# Altium PCB ST1-1-BASIS.PcbDoc (part 2 of 7) (continued)
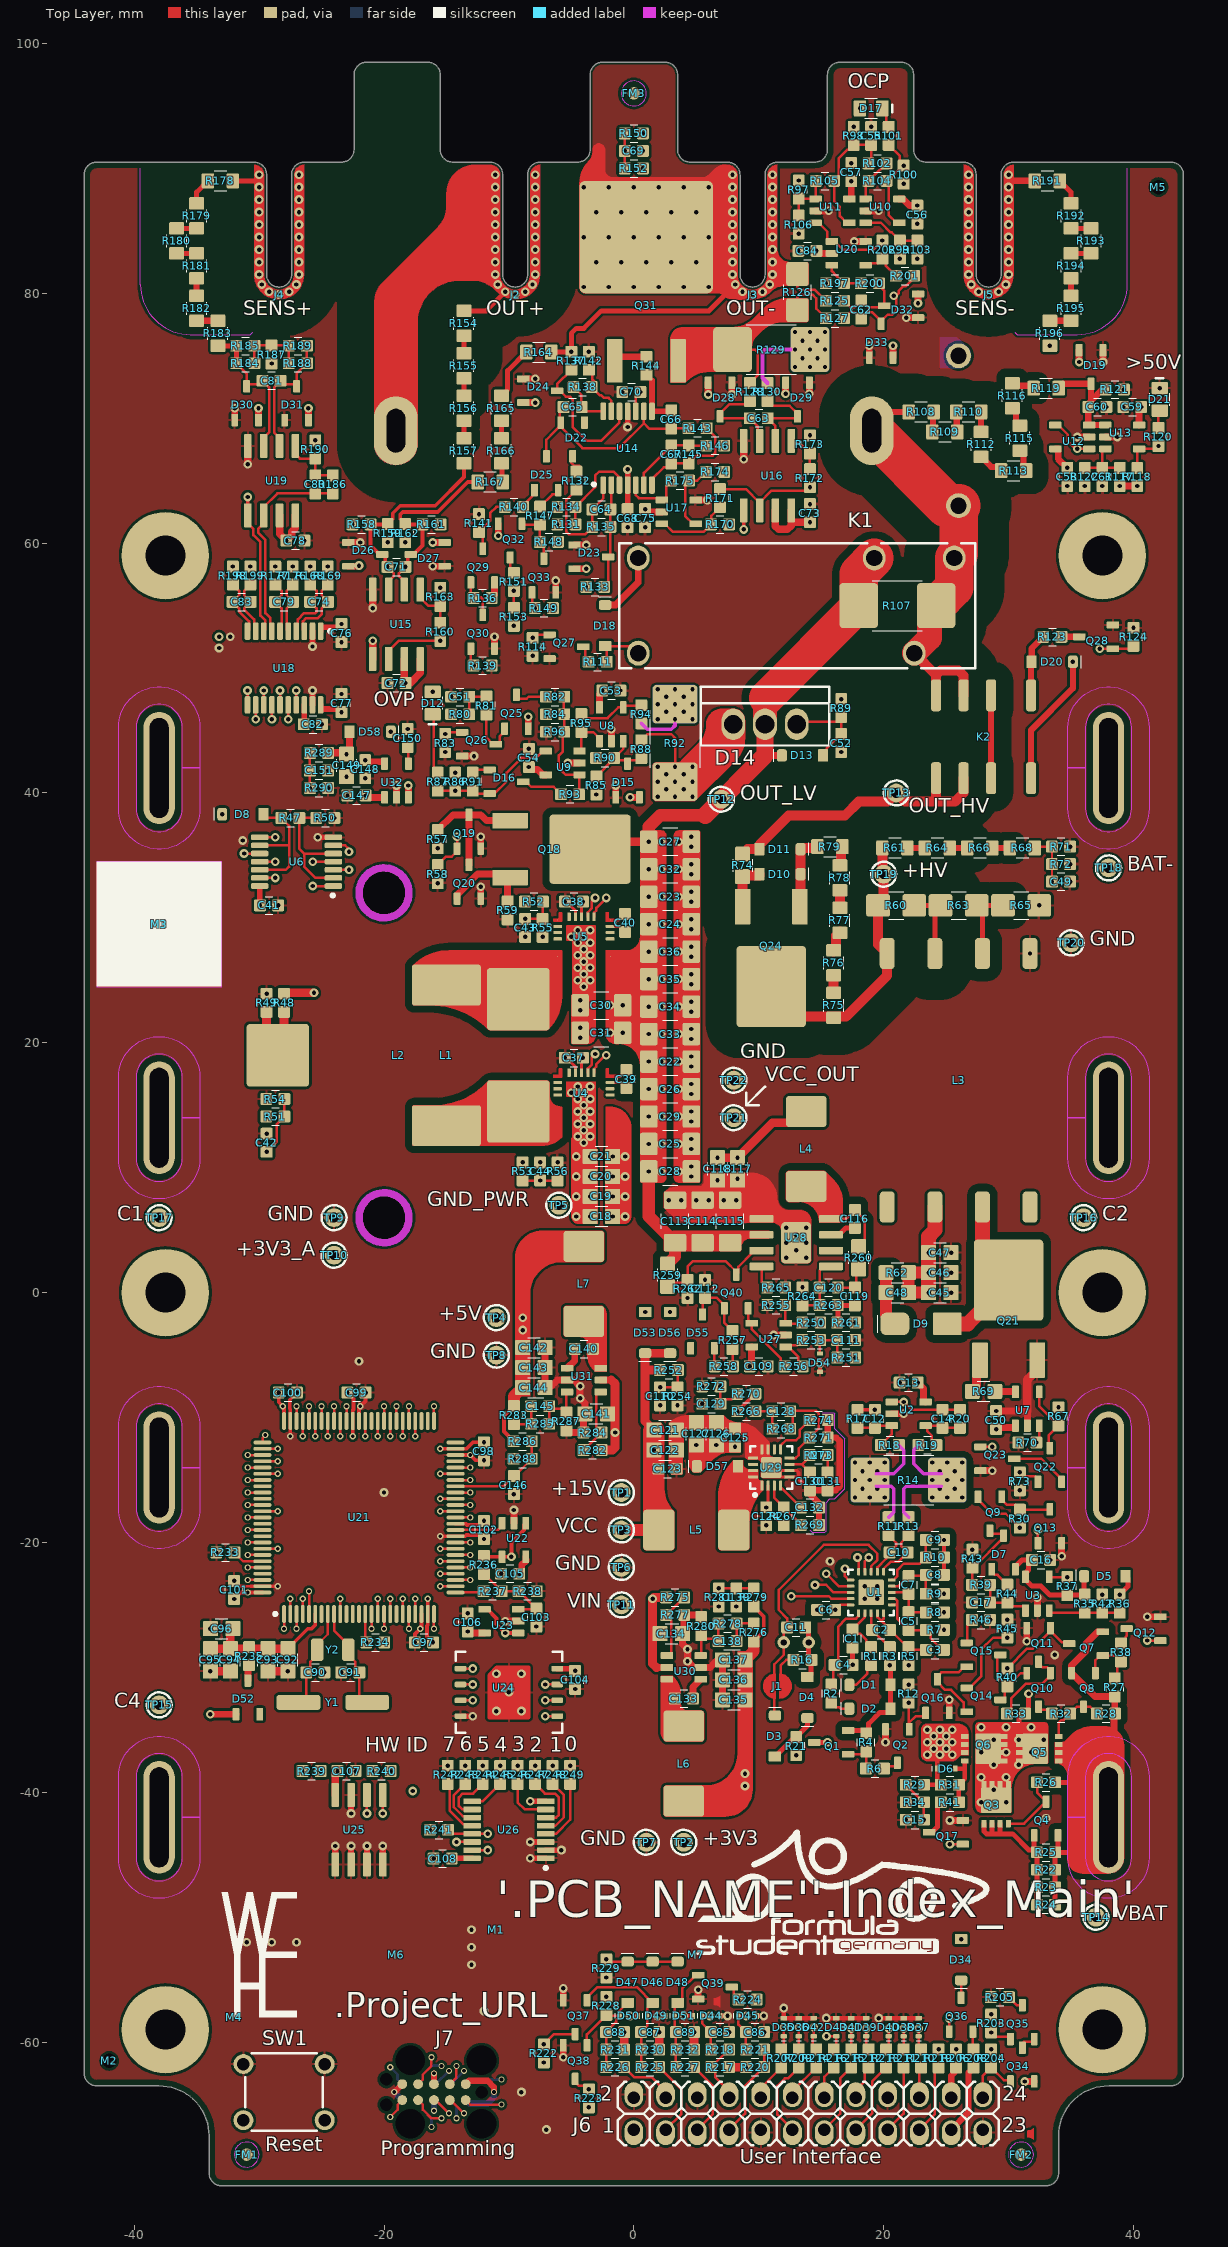
[diagram p0: Top Layer view]
## Components (designator, comment, footprint, x,y, rotation, side; value= is the part's Value field where it differs from the comment) (continued)
R189 "1M/0603" R0603-0.40-WW -26.9,75.8 r0 top value=1M
R190 "100K/0603" R0603-0.40-WW -25.5,67.5 r90 top value=100K
R191 "750K/0805/HV" R0805-0.50-HV-WW 33.1,89 r0 top value=750K
R192 "750K/0805/HV" R0805-0.50-HV-WW 35,86.2 r270 top value=750K
R193 "750K/0805/HV" R0805-0.50-HV-WW 36.6,84.2 r270 top value=750K
R194 "750K/0805/HV" R0805-0.50-HV-WW 35,82.2 r270 top value=750K
R195 "750K/0805/HV" R0805-0.50-HV-WW 35,78.8 r270 top value=750K
R196 "750K/0805/HV" R0805-0.50-HV-WW 33.3,76.8 r270 top value=750K
R197 "100K/0603" R0603-0.40-WW 16.1,80.8 r180 top value=100K
R198 "1K/0603" R0603-0.40-WW -32.1,57.4 r90 top value=1K
R199 "1K/0603" R0603-0.40-WW -30.7,57.4 r90 top value=1K
R200 "100K/0603" R0603-0.40-WW 18.9,80.8 r180 top value=100K
R201 "100K/0603" R0603-0.40-WW 21.7,81.4 r180 top value=100K
R202 "100K/0603" R0603-0.40-WW 19.9,83.5 r90 top value=100K
R203 "1M/0603" R0603-0.40-WW 28.6,-58.5 r270 top value=1M
R204 "1M/0603" R0603-0.40-WW 28.6,-61.3 r270 top value=1M
R205 "1M/0603" R0603-0.40-WW 29.3,-56.4 r180 top value=1M
R206 "0R/0603" R0603-0.40-WW 25.8,-61.3 r90 top value=0R
R207 "200R/0603" R0603-0.40-WW 11.8,-61.3 r270 top value=200R
R208 "200R/0603" R0603-0.40-WW 27.2,-61.3 r270 top value=200R
R209 "200R/0603" R0603-0.40-WW 13.2,-61.3 r270 top value=200R
R210 "200R/0603" R0603-0.40-WW 23,-61.3 r90 top value=200R
R211 "200R/0603" R0603-0.40-WW 21.6,-61.3 r90 top value=200R
R212 "200R/0603" R0603-0.40-WW 18.8,-61.3 r90 top value=200R
R213 "200R/0603" R0603-0.40-WW 20.2,-61.3 r90 top value=200R
R214 "200R/0603" R0603-0.40-WW 14.6,-61.3 r270 top value=200R
R215 "200R/0603" R0603-0.40-WW 17.4,-61.3 r90 top value=200R
R216 "200R/0603" R0603-0.40-WW 16,-61.3 r270 top value=200R
R217 "10K/0603" R0603-0.40-WW 6.9,-62 r180 top value=10K
R218 "100R/0603" R0603-0.40-WW 6.9,-60.6 r180 top value=100R
R219 "200R/0603" R0603-0.40-WW 24.4,-61.3 r270 top value=200R
R220 "10K/0603" R0603-0.40-WW 9.7,-62 r0 top value=10K
R221 "100R/0603" R0603-0.40-WW 9.7,-60.6 r180 top value=100R
R222 "10K/0603" R0603-0.40-WW -7.2,-60.9 r90 top value=10K
R223 "10K/0603" R0603-0.40-WW -3.6,-64.5 r90 top value=10K
R224 "10K/0603" R0603-0.40-WW 9.1,-56.6 r180 top value=10K
R225 "10K/0603" R0603-0.40-WW 1.3,-62 r180 top value=10K
R226 "10K/0603" R0603-0.40-WW -1.5,-62 r180 top value=10K
R227 "10K/0603" R0603-0.40-WW 4.1,-62 r180 top value=10K
R228 "0R/0603" R0603-0.40-WW -2.2,-57.1 r90 top value=0R
R229 "100K/0603" R0603-0.40-WW -2.2,-54.1 r270 top value=100K
R230 "100K/0603" R0603-0.40-WW 1.3,-60.6 r0 top value=100K
R231 "100K/0603" R0603-0.40-WW -1.5,-60.6 r0 top value=100K
R232 "100K/0603" R0603-0.40-WW 4.1,-60.6 r0 top value=100K
R233 "100K/0603" R0603-0.40-WW -32.7,-20.8 r180 top value=100K
R234 "100K/0603" R0603-0.40-WW -20.7,-28 r180 top value=100K
R235 "1K/0603" R0603-0.40-WW -30.8,-29.1 r90 top value=1K
R236 "10K/0603" R0603-0.40-WW -12,-21.8 r270 top value=10K
R237 "10K/0603" R0603-0.40-WW -11.3,-23.9 r0 top value=10K
R238 "10K/0603" R0603-0.40-WW -8.5,-23.9 r0 top value=10K
R239 "4K7/0603" R0603-0.40-WW -25.8,-38.3 r0 top value=4K7
R240 "4K7/0603" R0603-0.40-WW -20.2,-38.3 r180 top value=4K7
R241 "4K7/0603" R0603-0.40-WW -15.6,-43 r0 top value=4K7
R242 "100R/0603" R0603-0.40-WW -14.9,-38.6 r90 top value=100R
R243 "100R/0603" R0603-0.40-WW -13.5,-38.6 r90 top value=100R
R244 "100R/0603" R0603-0.40-WW -12.1,-38.6 r90 top value=100R
R245 "100R/0603" R0603-0.40-WW -10.7,-38.6 r90 top value=100R
R246 "100R/0603" R0603-0.40-WW -9.3,-38.6 r90 top value=100R
R247 "100R/0603" R0603-0.40-WW -7.9,-38.6 r90 top value=100R
R248 "100R/0603" R0603-0.40-WW -6.5,-38.6 r90 top value=100R
R249 "100R/0603" R0603-0.40-WW -5.1,-38.6 r90 top value=100R
R250 "300K/0603" R0603-0.40-WW 14.2,-2.4 r180 top value=300K
R251 "300K/0603" R0603-0.40-WW 17,-5.2 r180 top value=300K
R252 "180K/0603" R0603-0.40-WW 2.8,-6.2 r0 top value=180K
R253 "1M/0603" R0603-0.40-WW 14.2,-3.8 r180 top value=1M
R254 "10K/0603" R0603-0.40-WW 3.5,-8.3 r270 top value=10K
R255 "100K/0603" R0603-0.40-WW 11.4,-1 r180 top value=100K
R256 "10M/0603" R0603-0.40-WW 12.8,-5.9 r180 top value=10M
R257 "1M/0603" R0603-0.40-WW 7.9,-3.8 r90 top value=1M
R258 "100R/0603" R0603-0.40-WW 7.2,-5.9 r180 top value=100R
R259 "120K/0805" R0805-0.50-WW 2.7,1.4 r270 top value=120K
R260 "240K/0805" R0805-0.50-WW 18,2.8 r270 top value=240K
R261 "10R/0603" R0603-0.40-WW 17,-2.4 r180 top value=10R
R262 "30K/0603" R0603-0.40-WW 4.3,0.3 r270 top value=30K
R263 "180K/0603" R0603-0.40-WW 15.6,-1 r180 top value=180K
R264 "20K/0603" R0603-0.40-WW 13.5,-0.3 r90 top value=20K
R265 "150K/0603" R0603-0.40-WW 11.4,0.4 r0 top value=150K
R266 "10R/0603" R0603-0.40-WW 9,-9.5 r0 top value=10R
R267 "100K/0603" R0603-0.40-WW 12,-17.9 r90 top value=100K
R268 "180K/0603" R0603-0.40-WW 11.8,-10.9 r0 top value=180K
R269 "15K/0603" R0603-0.40-WW 14.1,-18.6 r0 top value=15K
R270 "240K/0603" R0603-0.40-WW 9,-8.1 r180 top value=240K
R271 "16K/0603" R0603-0.40-WW 14.8,-11.6 r0 top value=16K
R272 "10K/0603" R0603-0.40-WW 6.2,-7.5 r180 top value=10K
R273 "470R/0603" R0603-0.40-WW 14.8,-13 r0 top value=470R
R274 "62K/0603" R0603-0.40-WW 14.8,-10.2 r0 top value=62K
R275 "120K/0603" R0603-0.40-WW 3.3,-24.4 r0 top value=120K
R276 "10R/0603" R0603-0.40-WW 9.6,-27.2 r90 top value=10R
R277 "30K/0603" R0603-0.40-WW 3.3,-25.8 r0 top value=30K
R278 "62K/0603" R0603-0.40-WW 7.5,-26.5 r180 top value=62K
R279 "43K/0603" R0603-0.40-WW 9.6,-24.4 r90 top value=43K
R280 "27K/0603" R0603-0.40-WW 5.4,-26.7 r90 top value=27K
R281 "10K/0603" R0603-0.40-WW 6.8,-24.4 r270 top value=10K
R282 "120K/0603" R0603-0.40-WW -3.3,-12.6 r180 top value=120K
R283 "10R/0603" R0603-0.40-WW -9.6,-9.8 r270 top value=10R
R284 "30K/0603" R0603-0.40-WW -3.3,-11.2 r180 top value=30K
R285 "120K/0603" R0603-0.40-WW -7.5,-10.5 r0 top value=120K
R286 "68K/0603" R0603-0.40-WW -8.9,-11.9 r0 top value=68K
R287 "30K/0603" R0603-0.40-WW -5.4,-10.3 r270 top value=30K
R288 "10K/0603" R0603-0.40-WW -8.9,-13.3 r180 top value=10K
R289 "43K/0603" R0603-0.40-WW -25.2,43.2 r180 top value=43K
R290 "10K/0603" R0603-0.40-WW -25.2,40.4 r0 top value=10K
SW1 "BTN 6X6MM" BTN-6X6MM-4.3MM-YELLOW -28,-64 r0 top
TP1 "TP_THD_1.5/0.8" TP_THD_1.5/0.8 -1,-16 r0 top
TP2 "TP_THD_1.5/0.8" TP_THD_1.5/0.8 4,-44 r0 top
TP3 "TP_THD_1.5/0.8" TP_THD_1.5/0.8 -1,-19 r0 top
TP4 "TP_THD_1.5/0.8" TP_THD_1.5/0.8 -11,-2 r0 top
TP5 "TP_THD_1.5/0.8" TP_THD_1.5/0.8 -6,7 r0 top
TP6 "TP_THD_1.5/0.8" TP_THD_1.5/0.8 -1,-22 r0 top
TP7 "TP_THD_1.5/0.8" TP_THD_1.5/0.8 1,-44 r0 top
TP8 "TP_THD_1.5/0.8" TP_THD_1.5/0.8 -11,-5 r0 top
TP9 "TP_THD_1.5/0.8" TP_THD_1.5/0.8 -24,6 r0 top
TP10 "TP_THD_1.5/0.8" TP_THD_1.5/0.8 -24,3 r0 top
TP11 "TP_THD_1.5/0.8" TP_THD_1.5/0.8 -1,-25 r0 top
TP12 "TP_THD_1.5/0.8" TP_THD_1.5/0.8 7,39.5 r0 top
TP13 "TP_THD_1.5/0.8" TP_THD_1.5/0.8 21,40 r0 top
TP14 "TP_THD_1.5/0.8" TP_THD_1.5/0.8 37,-50 r0 top
TP15 "TP_THD_1.5/0.8" TP_THD_1.5/0.8 -38,-33 r0 top
TP16 "TP_THD_1.5/0.8" TP_THD_1.5/0.8 36,6 r0 top
TP17 "TP_THD_1.5/0.8" TP_THD_1.5/0.8 -38,6 r0 top
TP18 "TP_THD_1.5/0.8" TP_THD_1.5/0.8 38,34 r0 top
TP19 "TP_THD_1.5/0.8" TP_THD_1.5/0.8 20,33.5 r0 top
TP20 "TP_THD_1.5/0.8" TP_THD_1.5/0.8 35,28 r0 top
TP21 "TP_THD_1.5/0.8" TP_THD_1.5/0.8 8,14 r0 top
TP22 "TP_THD_1.5/0.8" TP_THD_1.5/0.8 8,17 r0 top
U1 "BQ76905" QFN050P350X350X100-20-EP200X200 19,-24 r180 top
U2 "TLV314IDBV" SOT2395P280X125-5-NW 22,-9.7 r0 top
U3 "TLV1701AIDBV" SOT2395P280X125-5-NW 32.3,-24.1 r90 top
U4 "LMG2100R044" QFN050P450X550X085-16-TI-VQFN-FCRLF -4,15 r0 top
U5 "LMG2100R044" QFN050P450X550X085-16-TI-VQFN-FCRLF -4,27.5 r0 top
U6 "SN74LVC08A TSSOP" SOP065P640X120-14NW -27,34.5 r180 top
U7 "1EDN7512B" SOT2395P280X125-5-NW 31.5,-9.3 r90 top
U8 "TLV314IDBV" SOT2395P280X125-5-NW -1.8,45.5 r90 top
U9 "TLV1701AIDBV" SOT2395P280X125-5-NW -5.7,42.4 r180 top
U10 "TLV1701AIDBV" SOT2395P280X125-5-NW 19.9,86.6 r0 top
U11 "TLV1701AIDBV" SOT2395P280X125-5-NW 15.9,86.6 r0 top
U12 "TLV314IDBV" SOT2395P280X125-5-NW 35.1,68.5 r180 top
U13 "TLV1701AIDBV" SOT2395P280X125-5-NW 39.1,68.5 r0 top
U14 "OPA4197 TSSOP" SOP065P640X120-14NW -0.5,67.6 r90 top
U15 "MCP6N11-001" SOP127P600X155-8-SW -19,53.5 r180 top
U16 "MCP6N11-001" SOP127P600X155-8-SW 10.7,65.4 r180 top
U17 "TLV314IDBV" SOT2395P280X125-5-NW 3.6,62.5 r0 top
U18 "ADS131M04 TSSOP" SOP065P640X120-20NW -28,50 r270 top
U19 "MCP6N11-001" SOP127P600X155-8-SW -29,65 r180 top
U20 "TLV314IDBV" SOT2395P280X125-5-NW 17.2,83.2 r0 top
U21 "STM32G474VET" QFP050P1600X1600X160-100 -22,-18 r90 top
U22 "TLV314IDBV" SOT2395P280X125-5-NW -9.6,-19.8 r270 top
U23 "TLV314IDBV" SOT2395P280X125-5-NW -10.6,-26.3 r180 top
U24 "W25N01GVZEIG" SON127P800X600X080-8-EP340X430 -10,-32 r0 top
U25 "ZD24C02B" SOP127P600X155-8-SW -22,-43 r0 top
U26 "TCA9554 TSSOP16" SOP065P640X110-16NW -10,-43 r180 top
U27 "TLV1701AIDBV" SOT2395P280X125-5-NW 10.8,-3.4 r180 top
U28 "LM5168P" SOP127P600X155-8-EP330x240-NW 13,4 r0 top
U29 "TPS55340 QFN" QFN050P300X300X080-16-EP168X168 11,-14 r90 top
U30 "LV3842XF" SOT2395P280X125-6-NW 4,-30 r180 top
U31 "LV3842XF" SOT2395P280X125-6-NW -4,-7 r0 top
U32 "LP2985-3.3" SOT2395P280X125-5-SW -19,41 r0 top
Y1 "Crystal 32.768 kHz HC-49/US" CYSMD275P760X320C230 -24.1,-32.8 r0 top
Y2 "Crystal 32.768 kHz FC-135" CYSMD250P320X150X090 -24.1,-28.6 r0 top

## Footprints (in the part's own frame and the unit in brackets; to place one, negate y for a bottom-side part, rotate by r counter-clockwise, add the part's x,y. Pads: shape width x height; smd on the part's side, far side on the other; paste and mask are expansions set on the pad)
BAT-26700-PS [mm]
  oval 2.5x9 hole 1.5 slot 8 at 90 deg: 1(-38,0) 2(38,0)
  Top Layer keep-out region: -41.25,3.25 -41.25,-3.25 -40.928,-4.66 -40.026,-5.791 -38.723,-6.419 -37.277,-6.419 -35.974,-5.791 -35.072,-4.66 -34.75,-3.25 -34.75,-3.25 -34.75,0 -36.15,0 -36.15,-3.25 -36.333,-4.053 -36.847,-4.696 -37.588,-5.054 -38.412,-5.054 -39.153,-4.696 -39.667,-4.053 -39.85,-3.25 -39.85,-3.25 -39.85,3.25 -39.602,4.175 -38.925,4.852 -38,5.1 -37.075,4.852 -36.398,4.175 -36.15,3.25 -36.15,3.25 -36.15,0 -34.75,0 -34.75,3.25 -35.185,4.875 -36.375,6.065 -38,6.5 -39.625,6.065 -40.815,4.875 -41.25,3.25
  Top Layer keep-out region: 41.25,-3.25 41.25,3.25 40.928,4.66 40.026,5.791 38.723,6.419 37.277,6.419 35.974,5.791 35.072,4.66 34.75,3.25 34.75,3.25 34.75,0 36.15,0 36.15,3.25 36.333,4.053 36.847,4.696 37.588,5.054 38.412,5.054 39.153,4.696 39.667,4.053 39.85,3.25 39.85,3.25 39.85,-3.25 39.602,-4.175 38.925,-4.852 38,-5.1 37.075,-4.852 36.398,-4.175 36.15,-3.25 36.15,-3.25 36.15,0 34.75,0 34.75,-3.25 35.185,-4.875 36.375,-6.065 38,-6.5 39.625,-6.065 40.815,-4.875 41.25,-3.25
  Bottom Layer keep-out region: -41.25,3.25 -41.25,-3.25 -40.928,-4.66 -40.026,-5.791 -38.723,-6.419 -37.277,-6.419 -35.974,-5.791 -35.072,-4.66 -34.75,-3.25 -34.75,-3.25 -34.75,0 -36.15,0 -36.15,-3.25 -36.333,-4.053 -36.847,-4.696 -37.588,-5.054 -38.412,-5.054 -39.153,-4.696 -39.667,-4.053 -39.85,-3.25 -39.85,-3.25 -39.85,3.25 -39.602,4.175 -38.925,4.852 -38,5.1 -37.075,4.852 -36.398,4.175 -36.15,3.25 -36.15,3.25 -36.15,0 -34.75,0 -34.75,3.25 -35.185,4.875 -36.375,6.065 -38,6.5 -39.625,6.065 -40.815,4.875 -41.25,3.25
  Bottom Layer keep-out region: 41.25,-3.25 41.25,3.25 40.928,4.66 40.026,5.791 38.723,6.419 37.277,6.419 35.974,5.791 35.072,4.66 34.75,3.25 34.75,3.25 34.75,0 36.15,0 36.15,3.25 36.333,4.053 36.847,4.696 37.588,5.054 38.412,5.054 39.153,4.696 39.667,4.053 39.85,3.25 39.85,3.25 39.85,-3.25 39.602,-4.175 38.925,-4.852 38,-5.1 37.075,-4.852 36.398,-4.175 36.15,-3.25 36.15,-3.25 36.15,0 34.75,0 34.75,-3.25 35.185,-4.875 36.375,-6.065 38,-6.5 39.625,-6.065 40.815,-4.875 41.25,-3.25
  silkscreen extent -43,-13 41,13, body extent -38.3,-13 38.3,13, height 28.3
BTN-6X6MM-4.3MM-YELLOW [mm]
  round 1.6 hole 1: 1(-3.25,-2.25) 1(3.25,-2.25) 2(-3.25,2.25) 2(3.25,2.25)
  silkscreen extent -3.1,-3.1 3.1,3.1, body extent -3.85,-3.1 3.85,3.1, height 4.3
CAP0603_C0G [mm]
  rrect20% 0.95x0.95 smd: 1(-0.725,0) 2(0.725,0)
  silkscreen extent -0.3,-0.7 0.3,0.7, body extent -0.8,-0.41 0.8,0.41, height 0.57
CAP0603_X7R [mm]
  rrect20% 0.95x0.95 smd: 1(-0.725,0) 2(0.725,0)
  silkscreen extent -0.3,-0.7 0.3,0.7, body extent -0.8,-0.41 0.8,0.41, height 0.57
CAP0805_C0G [mm] "Chip Capacitor 0805mil / 2012mm"
  rrect10% 1.2x1.2 smd: 1(-0.9,0) 2(0.9,0)
  silkscreen extent -0.5,-0.8 0.5,0.8, body extent -1.1,-0.63 1.1,0.63, height 1
CAP0805_X7R [mm] "Chip Capacitor 0805mil / 2012mm"
  rrect10% 1.2x1.2 smd: 1(-0.9,0) 2(0.9,0)
  silkscreen extent -0.5,-0.8 0.5,0.8, body extent -1,-0.51 1,0.51, height 0.72
CAP1206-X7R [mm]
  rrect20% 1.4x1.8 smd: 1(-1.7,0) 2(1.7,0)
  silkscreen extent -0.6,-1.1 0.6,1.1, body extent -1.6,-0.8 1.6,0.8, height 1.6
CYSMD250P320X150X090 [mm]
  rrect40% 1x1.8 smd: 1(-1.25,0) 2(1.25,0)
  body extent -1.65,-0.8 1.65,0.8, height 0.9
CYSMD275P760X320C230 [mm]
  rrect33% 3.5x1.2 smd: 1(-2.75,0) 2(2.75,0)
  body extent -3.8,-1.6 3.8,1.6, height 2.3
DIOM5226X230 [mm] "DO-214AC"
  rrect50% 2.3x1.8 smd: 1(-2.1,0)
  rrect10% 2.3x1.8 smd: 2(2.1,0)
  silkscreen extent -3.5,-0.7 -3.5,0.7, body extent -2.6,-1.4 2.6,1.4, height 2.29
FIDU-1MM [mm] "Fiducial 1mm"
  round 1 smd mask+0.5: 1(0,0)
  Top Layer keep-out circle w0.1: c0,0 r1
FTR-B3G [mm]
  rrect50% 0.8x2.56 smd: 1(-3.8,-3.32) 2(-3.8,3.32) 3(1.6,-3.32) 4(-0.6,-3.32) 5(3.8,-3.32) 6(1.6,3.32) 7(-0.6,3.32) 8(3.8,3.32)
  body extent -5.45,-4.1 5.45,4.1, height 5.75
Fuse_5AG_5mm [mm] "Fuse 5AG, 5mm distance from PCB"
  body extent -19,-5.15 19,5.15, height 15.3
G6RL-1 [mm]
  oval 2x1.8 hole 1.3: 1(3.81,-12.65) 2(-3.81,-12.65) 3(3.81,9.45) 4(-3.81,6.25) 5(-3.81,12.65)
  silkscreen extent -5,-14.15 5,14.35, body extent -5,-14.15 5,14.35, height 12.3
GDTAD1200W100L800D800H1200 [mm]
  round 2 hole 1.3: 1(-6,0) 2(6,0)
  silkscreen extent -4.8,-4.1 4.8,4.1, body extent -6.5,-4.1 6.5,4.1, height 12.1
IND_PQ2015J [mm]
  rrect10% 5x5 smd: 1(-4.5,-10.75) 2(4.5,-10.75) 3(0,8.5)
  body extent -10.75,-12.4 10.75,10.1, height 12.5
INDM140X128X65 [mm]
  rrect10% 3.25x5.5 smd: 1(-5.625,0) 2(5.625,0)
  body extent -7,-6.4 7,6.4, height 6.5
INDM7676X43 [mm]
  rrect20% 2.5x3.25 smd: 1(-3,0) 2(3,0)
  body extent -3.8,-3.8 3.8,3.8, height 4.3
KEYSTONE_3576 [mm] "Fuse holder 5AG"
  oval 3.5x5.5 hole 1.5 slot 3.5 at 90 deg: 1(-19.05,0) 2(19.05,0)
  silkscreen extent -21.52,-9.07 21.52,9.07, body extent -21.53,-9.07 21.53,9.07, height 17.54
LED0805_RED [mm]
  rrect20% 1x1.3 smd: 1(-0.9,0) 2(0.9,0)
  silkscreen extent -1.7,-0.8 0.5,0.8, body extent -1,-0.6 1,0.6, height 0.8
LOGO-FSG-10MM [mm] "Source: https://www.formulastudent.de/pr/logos /  / Terms of use / Nutzungsbedingungen /  / \"Formula Student\" is registered trademark. The FSG logos are also subject to international copyright laws.  /  / EN: The right to use the FSG logo in an appropriate context is reserved to the teams, to the sponsors of the FSG event and to the press reporting on FSG. Other parties including the teams' sponsors are not allowed to use the FSG logo for any purpose. /  / DE: Teams, Sponsoren des FSG-Wettbewerb und Presse, die über die FSG berichtet, dürfen das FSG-Logo im entsprechenden Kontext frei verwenden. Anderen, die Sponsoren der Teams eingeschlossen, ist die Verwendung des FSG-Logos nicht gestattet."
  silkscreen extent 0.01,0.01 23.47,10.01, body extent 0.01,0.01 23.47,10.01, height 0.05
LOGO-WHE-10MM [mm]
  silkscreen extent -1,0 5,10
NET-TIE_1000X100 [mil]
  round 1 on Mid4 paste-99999 mask+4: 1(-9.84,0) 2(9.84,0)
PCB-NAME-5MM-LEFT [mm]
QFN050P300X300X080-16-EP168X168 [mm] "QFN, 16-Leads, Body 3.00x3.00mm, Pitch 0.50mm, Thermal Pad 1.68x1.68mm, IPC Medium Density"
  rrect50% 0.8x0.25 smd: 1(-1.45,0.75) 2(-1.45,0.25) 3(-1.45,-0.25) 4(-1.45,-0.75) 9(1.45,-0.75) 10(1.45,-0.25) 11(1.45,0.25) 12(1.45,0.75)
  rrect50% 0.25x0.8 smd: 5(-0.75,-1.45) 6(-0.25,-1.45) 7(0.25,-1.45) 8(0.75,-1.45) 13(0.75,1.45) 14(0.25,1.45) 15(-0.25,1.45) 16(-0.75,1.45)
  rrect20% 1.68x1.68 smd: EP(0,0)
  silkscreen extent -2.32,-1.7 1.7,1.7, body extent -1.56,-1.56 1.56,1.56, height 0.8
QFN050P350X350X100-20-EP200X200 [mm]
  round 0.4 on Top Overlay: 1(-2.2,1.5)
  rrect50% 0.6x0.24 smd: 1(-1.65,1) 2(-1.65,0.5) 3(-1.65,0) 4(-1.65,-0.5) 5(-1.65,-1) 11(1.65,-1) 12(1.65,-0.5) 13(1.65,0) 14(1.65,0.5) 15(1.65,1)
  rrect50% 0.24x0.6 smd: 6(-1,-1.65) 7(-0.5,-1.65) 8(0,-1.65) 9(0.5,-1.65) 10(1,-1.65) 16(1,1.65) 17(0.5,1.65) 18(0,1.65) 19(-0.5,1.65) 20(-1,1.65)
  rrect20% 0.92x0.92 on Top Paste: EP(-0.56,0.56) EP(-0.56,-0.56) EP(0.56,0.56) EP(0.56,-0.56)
  rrect10% 2.05x2.05 smd paste-2539.97: EP(0,0)
  silkscreen extent -1.83,-1.83 1.83,1.83, body extent -1.83,-1.83 1.83,1.83, height 1.01
QFN050P450X550X085-16-TI-VQFN-FCRLF [mm] "QFN-16 Texas Instruments VQFN-FCRLF  (RAR0017B)"
  round 0.3 on Top Overlay: 1(-2.6,3)
  round 0.025 smd: 1(-2.1,2.325) 5(-2.1,-0.587) 6(0,-1.05) 7(2.1,-0.587) 11(2.1,2.325) 17(-0.1,1)
  rrect40% 0.7x0.25 smd: 2(-2.1,1.825) 3(-2.1,1.325) 4(-2.1,0.825) 8(2.1,0.825) 9(2.1,1.325) 10(2.1,1.825)
  rrect40% 0.25x0.7 smd: 12(0.825,2.6) 13(0.325,2.6) 14(-0.175,2.6) 15(-0.675,2.6) 16(-1.175,2.6)
  body extent -2.3,-2.8 2.3,2.8, height 0.85
QFP050P1600X1600X160-100 [mm] "QFP, 100-Leads, Body 14.00x14.00mm, Pitch 0.50mm, IPC Medium Density"
  oval 1.45x0.3 smd: 1(-7.725,6) 2(-7.725,5.5) 3(-7.725,5) 4(-7.725,4.5) 5(-7.725,4) 6(-7.725,3.5) 7(-7.725,3) 8(-7.725,2.5) 9(-7.725,2) 10(-7.725,1.5) 11(-7.725,1) 12(-7.725,0.5) 13(-7.725,0) 14(-7.725,-0.5) 15(-7.725,-1) 16(-7.725,-1.5) 17(-7.725,-2) 18(-7.725,-2.5) 19(-7.725,-3) 20(-7.725,-3.5) 21(-7.725,-4) 22(-7.725,-4.5) 23(-7.725,-5) 24(-7.725,-5.5) 25(-7.725,-6) 51(7.725,-6) 52(7.725,-5.5) 53(7.725,-5) 54(7.725,-4.5) 55(7.725,-4) 56(7.725,-3.5) 57(7.725,-3) 58(7.725,-2.5) 59(7.725,-2) 60(7.725,-1.5) 61(7.725,-1) 62(7.725,-0.5) 63(7.725,0) 64(7.725,0.5) 65(7.725,1) 66(7.725,1.5) 67(7.725,2) 68(7.725,2.5) 69(7.725,3) 70(7.725,3.5) 71(7.725,4) 72(7.725,4.5) 73(7.725,5) 74(7.725,5.5) 75(7.725,6)
  oval 0.3x1.45 smd: 26(-6,-7.725) 27(-5.5,-7.725) 28(-5,-7.725) 29(-4.5,-7.725) 30(-4,-7.725) 31(-3.5,-7.725) 32(-3,-7.725) 33(-2.5,-7.725) 34(-2,-7.725) 35(-1.5,-7.725) 36(-1,-7.725) 37(-0.5,-7.725) 38(0,-7.725) 39(0.5,-7.725) 40(1,-7.725) 41(1.5,-7.725) 42(2,-7.725) 43(2.5,-7.725) 44(3,-7.725) 45(3.5,-7.725) 46(4,-7.725) 47(4.5,-7.725) 48(5,-7.725) 49(5.5,-7.725) 50(6,-7.725) 76(6,7.725) 77(5.5,7.725) 78(5,7.725) 79(4.5,7.725) 80(4,7.725) 81(3.5,7.725) 82(3,7.725) 83(2.5,7.725) 84(2,7.725) 85(1.5,7.725) 86(1,7.725) 87(0.5,7.725) 88(0,7.725) 89(-0.5,7.725) 90(-1,7.725) 91(-1.5,7.725) 92(-2,7.725) 93(-2.5,7.725) 94(-3,7.725) 95(-3.5,7.725) 96(-4,7.725) 97(-4.5,7.725) 98(-5,7.725) 99(-5.5,7.725) 100(-6,7.725)
  silkscreen extent -7.85,6.58 -7.6,6.82, body extent -8,-8 8,8, height 1.6
QR-PROJECT-URL-10MM [mm] "QR Code Project URL 10mm"
R0603-0.40-WW [mm]
  rrect20% 0.95x0.95 smd: 1(-0.725,0) 2(0.725,0)
  silkscreen extent -0.3,-0.7 0.3,0.7, body extent -0.8,-0.4 0.8,0.4, height 0.3
R0805-0.50-HV-WW [mm]
  rrect20% 1x1.2 smd: 1(-1,0) 2(1,0)
  silkscreen extent -0.5,-0.8 0.5,0.8, body extent -1,-0.5 1,0.5, height 0.37
R0805-0.50-WW [mm]
  rrect20% 1.2x1.2 smd: 1(-0.9,0) 2(0.9,0)
  silkscreen extent -0.5,-0.8 0.5,0.8, body extent -1,-0.5 1,0.5, height 0.37
R1206-0.80-WW [mm]
  rrect20% 1.9x1.8 smd: 1(-1.45,0) 2(1.45,0)
  silkscreen extent -0.6,-1.1 0.6,1.1, body extent -1.6,-0.8 1.6,0.8, height 0.62
R2512-0.65-WW [mm]
  rrect20% 3.1x3.6 smd: 1(-3.1,0) 2(3.1,0)
  silkscreen extent -2,-2 2,2, body extent -3.2,-1.6 3.2,1.6, height 0.68
RESD200W25D200H4000 [mm]
  round 1 hole 0.5: 1(-1,0) 2(1,0)
  silkscreen extent -0.74,-1 0.74,1, body extent -1.15,-1 1.15,1, height 40
SERIAL-2D-10MM-RESTRICT [mm] "Placeholder for 2D serial number (Dotmatrix or QR) / Size: 10mm"
  Top Layer keep-out region: -5,-5 5,-5 5,5 -5,5
  silkscreen extent -5,-5 5,5
SLB4-F6.3-BLACK [mil]
  round 1 smd: 1(0,-1244.09)
  body extent -285,-1197 285,79, height 324
SLB4-F6.3-RED [mil]
  round 1 smd: 1(0,-1244.09)
  body extent -285,-1197 285,79, height 324
SOCK_254_2X12_700 [mm] "Socket 2.54mm 2x12, height 7mm"
  oval 2x1.5 hole 1 copper offset -0.25,0: 1(0,0) 3(0,-2.54) 5(0,-5.08) 7(0,-7.62) 9(0,-10.16) 11(0,-12.7) 13(0,-15.24) 15(0,-17.78) 17(0,-20.32) 19(0,-22.86) 21(0,-25.4) 23(0,-27.94)
  oval 2x1.5 hole 1 copper offset 0.25,0: 2(2.54,0) 4(2.54,-2.54) 6(2.54,-5.08) 8(2.54,-7.62) 10(2.54,-10.16) 12(2.54,-12.7) 14(2.54,-15.24) 16(2.54,-17.78) 18(2.54,-20.32) 20(2.54,-22.86) 22(2.54,-25.4) 24(2.54,-27.94)
  silkscreen extent -1.27,-29.21 3.81,1.27, body extent -1.27,-29.21 3.81,1.27, height 7
SOD1608X065 [mm] "SOD523"
  rrect50% 0.35x0.5 smd: 1(-0.725,0)
  rrect10% 0.35x0.5 smd: 2(0.725,0)
  silkscreen extent -1.1,-0.2 -1.1,0.2, body extent -0.8,-0.4 0.8,0.4, height 0.65
SOD3718X125 [mm] "SOD-123"
  rrect50% 0.8x1 smd: 1(-1.65,0)
  rrect10% 0.8x1 smd: 2(1.65,0)
  silkscreen extent -2.3,-0.5 -2.3,0.5, body extent -1.85,-0.8 1.85,0.8, height 1.25
Solder_Jumper_2pin_0.3mm [mil] "Solder jumper with two pins with a spacing of 0.3mm"
  round 1 smd paste-99999: 1(-25.59,0) 2(25.59,0)
SON065P330X330X075-5-TH245X175 [mm]
  round 0.5 on Top Overlay: 1(-1.6,-1.6)
  rrect10% 0.4x0.6 smd: 1(-0.975,-1.5) 2(-0.325,-1.5) 3(0.325,-1.5) 4(0.975,-1.5) 5(-0.975,1.625) 5(-0.325,1.625) 5(0.325,1.625) 5(0.975,1.625)
  rrect10% 2.45x2.03 smd: 5(0,0.36)
  body extent -1.65,-1.65 1.65,1.65, height 0.75
SON127P800X600X080-8-EP340X430 [mm] "SON, 8-Leads, Body 6.00x8.00mm, Pitch 1.27mm, Thermal Pad 4.30x3.40mm, IPC Medium Density"
  round 0.5 on Top Overlay: 1(-4.7,2.625)
  rrect50% 0.95x0.45 smd: 1(-3.87,1.905) 2(-3.87,0.635) 3(-3.87,-0.635) 4(-3.87,-1.905) 5(3.87,-1.905) 6(3.87,-0.635) 7(3.87,0.635) 8(3.87,1.905)
  round 0.025 smd paste-1.7: EP(0,0)
  silkscreen extent -4.25,-3.25 4.25,3.25, body extent -4.07,-3.05 4.07,3.05, height 0.8
SOP065P640X110-16NW [mm] "TSOP, 16-Leads, Body 5.00x4.40mm, Pitch 0.65mm, IPC Medium Density"
  rrect25% 1.4x0.45 smd: 1(-2.95,2.275) 2(-2.95,1.625) 3(-2.95,0.975) 4(-2.95,0.325) 5(-2.95,-0.325) 6(-2.95,-0.975) 7(-2.95,-1.625) 8(-2.95,-2.275) 9(2.95,-2.275) 10(2.95,-1.625) 11(2.95,-0.975) 12(2.95,-0.325) 13(2.95,0.325) 14(2.95,0.975) 15(2.95,1.625) 16(2.95,2.275)
  silkscreen extent -3.08,2.93 -2.83,3.17, body extent -3.2,-2.55 3.2,2.55, height 1.1
SOP065P640X120-14NW [mm] "TSOP, 14-Leads, Body 5.00x4.40mm, Pitch 0.65mm, IPC Medium Density"
  rrect50% 1.4x0.45 smd: 1(-2.95,1.95) 2(-2.95,1.3) 3(-2.95,0.65) 4(-2.95,0) 5(-2.95,-0.65) 6(-2.95,-1.3) 7(-2.95,-1.95) 8(2.95,-1.95) 9(2.95,-1.3) 10(2.95,-0.65) 11(2.95,0) 12(2.95,0.65) 13(2.95,1.3) 14(2.95,1.95)
  silkscreen extent -3.03,2.58 -2.78,2.82, body extent -3.22,-2.45 3.22,2.45, height 1.1
SOP065P640X120-20NW [mm] "TSOP, 20-Leads, Body 6.50x4.40mm, Pitch 0.65mm, IPC Medium Density"
  rrect50% 1.4x0.45 smd: 1(-2.95,2.925) 2(-2.95,2.275) 3(-2.95,1.625) 4(-2.95,0.975) 5(-2.95,0.325) 6(-2.95,-0.325) 7(-2.95,-0.975) 8(-2.95,-1.625) 9(-2.95,-2.275) 10(-2.95,-2.925) 11(2.95,-2.925) 12(2.95,-2.275) 13(2.95,-1.625) 14(2.95,-0.975) 15(2.95,-0.325) 16(2.95,0.325) 17(2.95,0.975) 18(2.95,1.625) 19(2.95,2.275) 20(2.95,2.925)
  silkscreen extent -3.07,3.58 -2.83,3.83, body extent -3.2,-3.3 3.2,3.3, height 1.2
SOP127P600X155-8-EP330x240-NW [mm] "PHDSO-G8-I127, JEDEC MS-012AA, SOIC8 with Exposed Pad"
  rrect25% 1.91x0.61 smd: 1(-2.78,1.905) 2(-2.78,0.635) 3(-2.78,-0.635) 4(-2.78,-1.905) 5(2.78,-1.905) 6(2.78,-0.635) 7(2.78,0.635) 8(2.78,1.905)
  round 0.4 on Top Overlay: 1(-2.5,2.7)
  rrect25% 2.4x3.3 smd: EP(0,0)
  body extent -3,-2.45 3,2.45, height 1.7
SOP127P600X155-8-SW [mm] "PHDSO-G8-I127, JEDEC MS-012AA, SOIC8"
  round 0.4 on Top Overlay: 1(-2.7,-2.5)
  rrect25% 0.61x1.91 smd: 1(-1.905,-2.78) 2(-0.635,-2.78) 3(0.635,-2.78) 4(1.905,-2.78) 5(1.905,2.78) 6(0.635,2.78) 7(-0.635,2.78) 8(-1.905,2.78)
  body extent -2.4,-3 2.4,3, height 1.45
SOT2395P280X125-3-SE [mm] "SOT23-3, SC74"
  rrect25% 1x0.55 smd: 1(1.35,-0.95) 2(1.35,0.95) 3(-1.35,0)
  round 0.4 on Top Overlay: 1(1.6,-1.6)
  body extent -1.4,-1.45 1.4,1.45, height 1.26
SOT2395P280X125-5-NW [mm] "SOT23-5"
  round 0.4 on Top Overlay: 1(-1.6,1.6)
  rrect25% 1x0.55 smd: 1(-1.35,0.95) 2(-1.35,0) 3(-1.35,-0.95) 4(1.35,-0.95) 5(1.35,0.95)
  body extent -1.4,-1.45 1.4,1.45, height 1.26
SOT2395P280X125-5-SW [mm] "SOT23-5"
  round 0.4 on Top Overlay: 1(-1.6,-1.6)
  rrect25% 0.55x1 smd: 1(-0.95,-1.35) 2(0,-1.35) 3(0.95,-1.35) 4(0.95,1.35) 5(-0.95,1.35)
  body extent -1.45,-1.4 1.45,1.4, height 1.26
SOT2395P280X125-6-NW [mm] "SOT23-6"
  round 0.4 on Top Overlay: 1(-1.6,1.6)
  rrect25% 1x0.55 smd: 1(-1.35,0.95) 2(-1.35,0) 3(-1.35,-0.95) 4(1.35,-0.95) 5(1.35,0.01) 6(1.35,0.95)
  body extent -1.4,-1.45 1.4,1.45, height 1.26